# Altium PCB Elevator.PcbDoc (part 2 of 2) (continued)
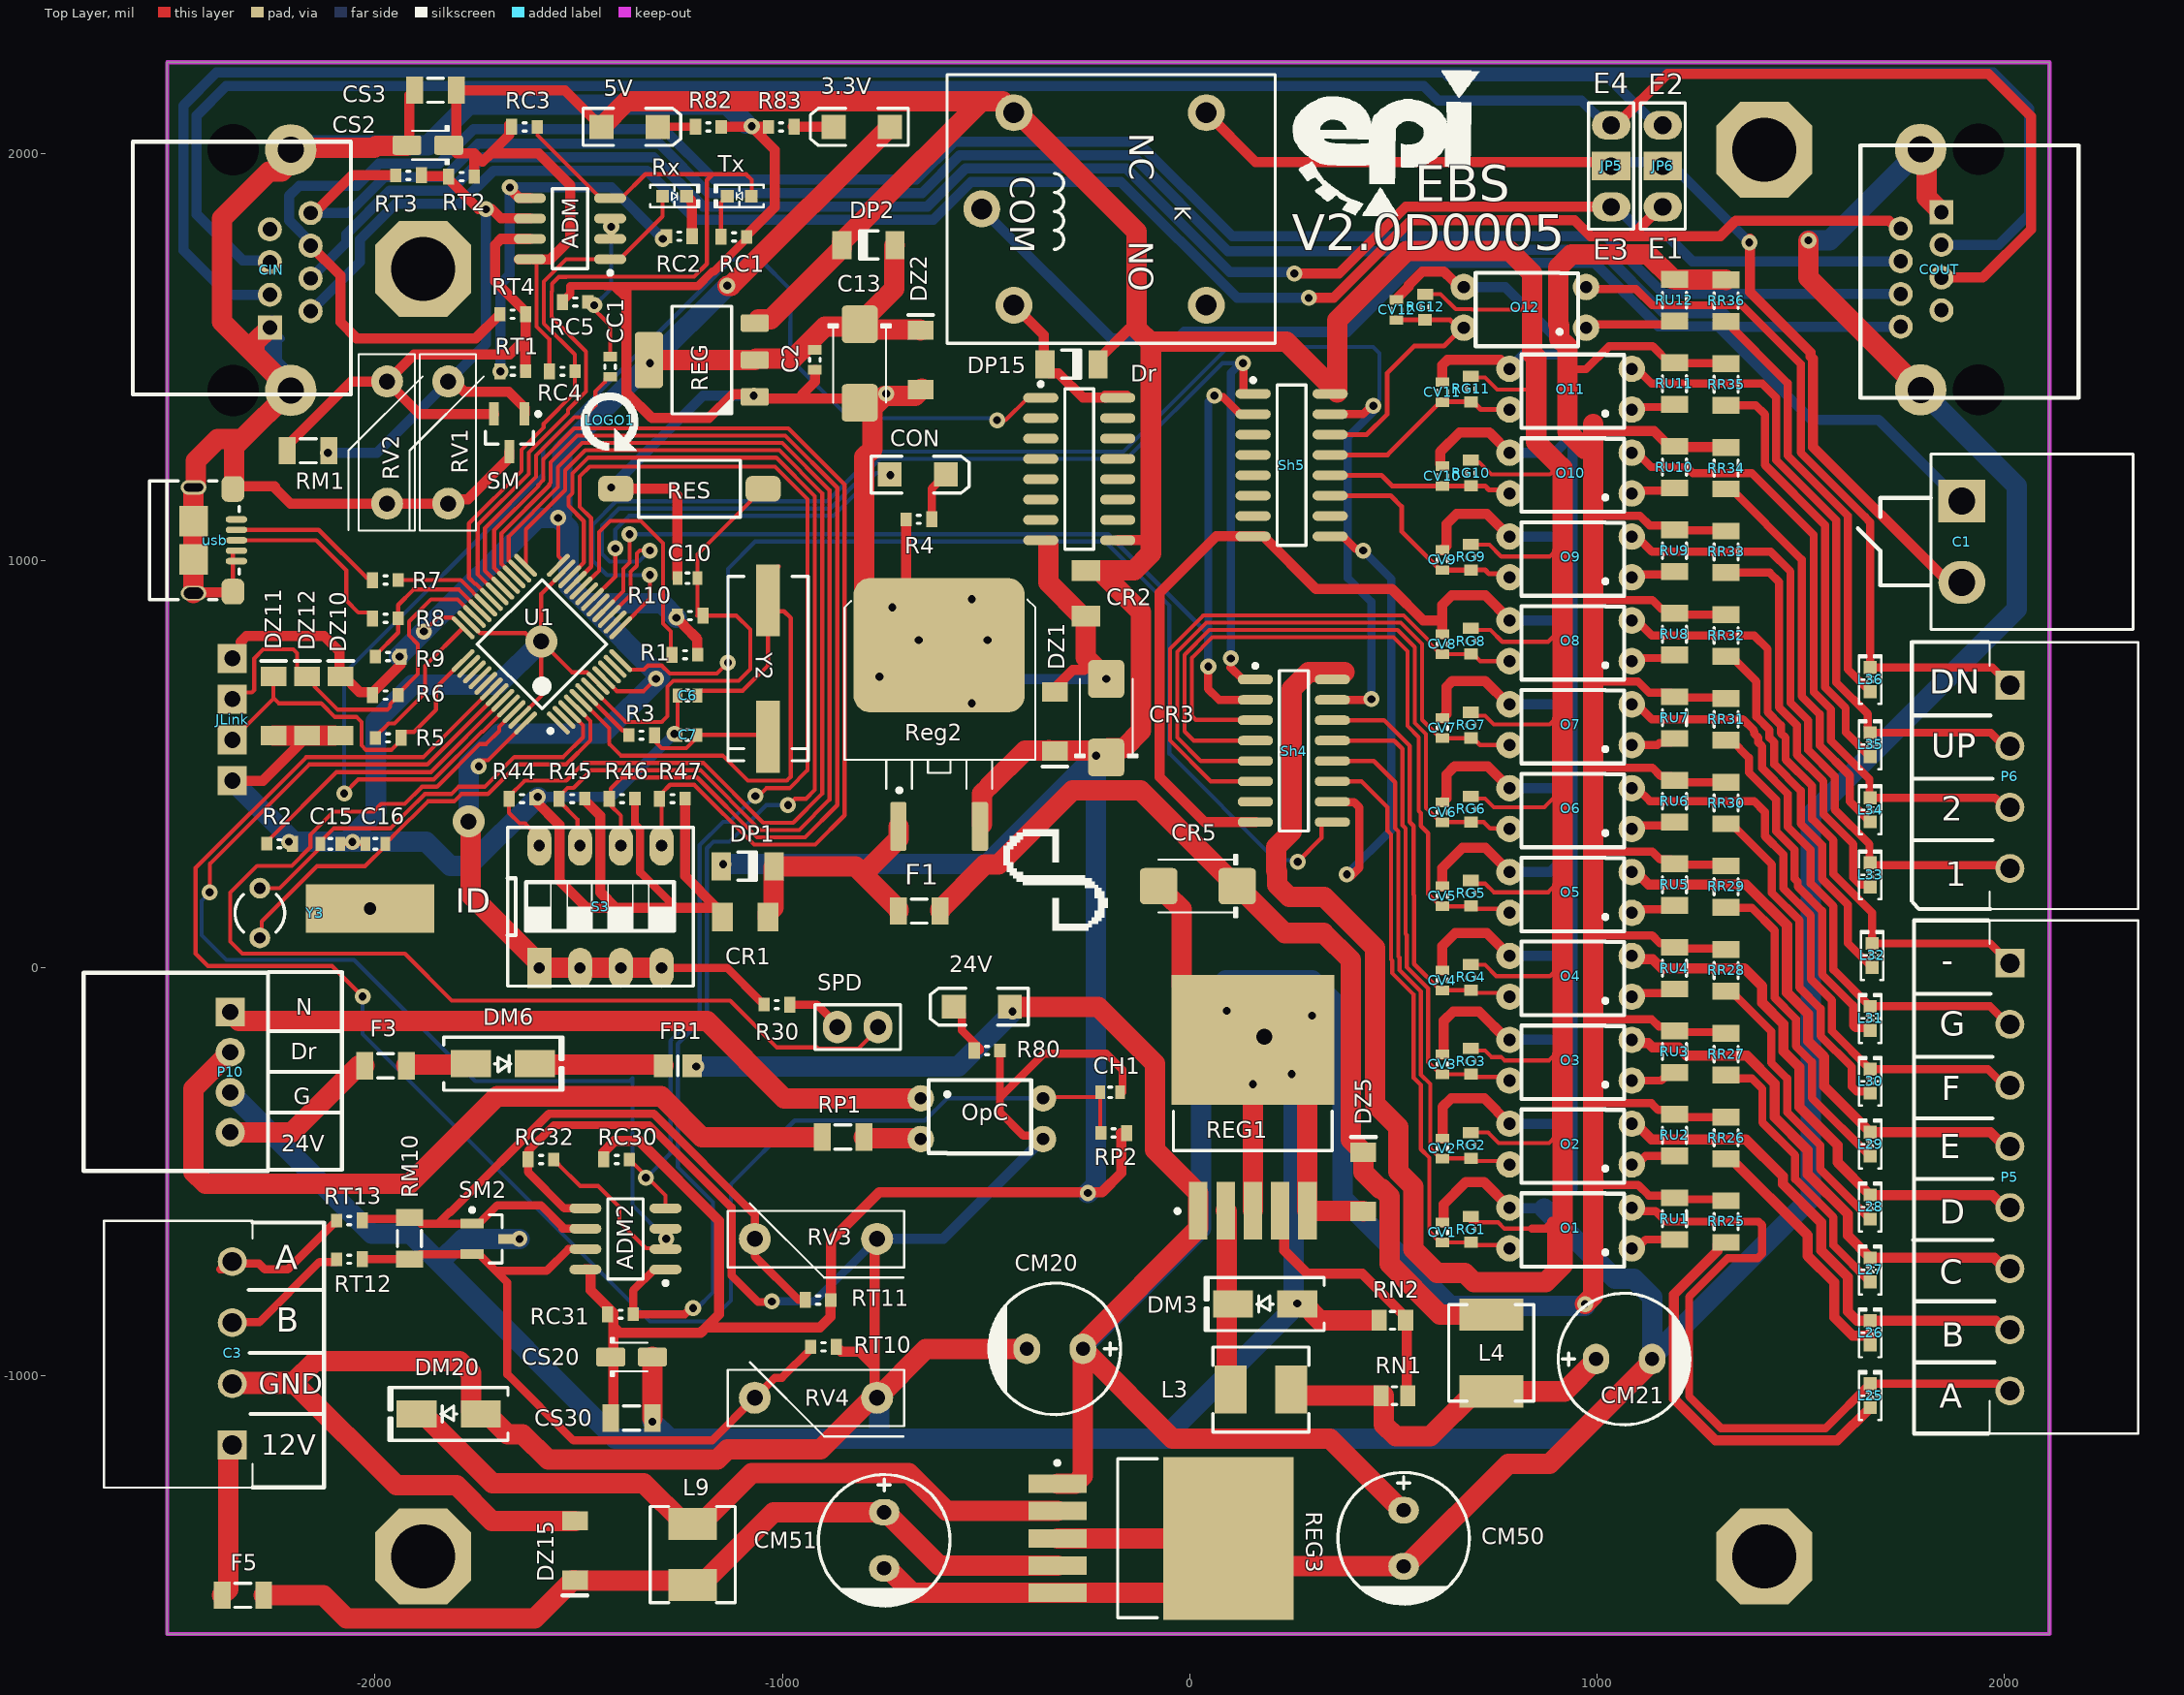
[diagram p0: Top Layer view]
## Nets (pads, with @x,y where several pads share a name; then routed paths per layer and width w, separated by ;. In a path a pad name is that pad's centre, name@x,y a point inside that pad or via, vN(x,y) a via of type N, cw(c..) or ccw(c..) an arc to the next point about the centre after c; other vN are vias at no path point) (continued)
NetL25_1: L25.1 RR25.2 | length 1001.9
  Top Layer w25: RR25.2@1316.14,-673.58 1303.35,-673.58 1295.18,-681.75 1295.18,-694.55 1188.15,-801.57 1188.15,-1057.2 1290.94,-1160 1589.53,-1160 L25.1@1670,-1079.53
NetL26_1: L26.1 RR26.2 | length 636.2
  Top Layer w25: RR26.2@1316.14,-468.06 1328.94,-468.06 1516.75,-655.88 1516.75,-706.94 1582.13,-772.32 1582.13,-857.13 1627.2,-902.2 1670,-902.2 L26.1@1670,-925.14
NetL27_1: L27.1 RR27.2 | length 687.2
  Top Layer w20: RR27.2@1316.14,-262.54 1324.32,-270.72 1379.61,-270.72 1405.38,-296.49 1405.38,-379.24 1485.97,-459.83 1485.97,-518.23 1580,-612.27 1580,-680.75 L27.1@1670,-770.75
NetL28_1: L28.1 RR28.2 | length 713.4
  Top Layer w20: RR28.2@1316.14,-57.02 1328.94,-57.02 1427.08,-155.17 1427.08,-232.29 1466.12,-271.33 1466.12,-354.08 1547.04,-435 1547.04,-493.4 L28.1@1670,-616.36
NetL29_1: L29.1 RR29.2 | length 793.9
  Top Layer w20: RR29.2@1316.14,148.5 1316.67,147.96 1379.61,147.96 1435.63,91.94 1435.63,-72.96 1487.83,-125.16 1487.83,-191.68 1526.87,-230.72 1526.87,-318.84 L29.1@1670,-461.97
NetL30_1: L30.1 RR30.2 | length 832.4
  Top Layer w20: RR30.2@1316.14,354.02 1328.94,354.02 1429.01,253.94 1429.01,184.47 1496.38,117.1 1496.38,-47.8 1548.58,-100 1548.58,-166.52 1625,-242.94 1625,-291.16 1636.72,-302.88 1665.3,-302.88 L30.1@1670,-307.58
NetL31_1: L31.1 RR31.2 | length 884.4
  Top Layer w20: RR31.2@1316.14,559.54 1328.94,559.54 1372.3,516.17 1372.3,480.2 1439.71,412.8 1439.71,335.34 1484.76,290.29 1484.76,219.1 1492.23,211.64 1492.23,200.09 1552.13,140.2 1552.13,-15.68 1628.23,-91.77 1628.23,-141.47 1634.19,-147.44 1664.25,-147.44 L31.1@1670,-153.19
NetL32_1: L32.1 RR32.2 | length 920
  Top Layer w20: RR32.2@1316.14,765.06 1328.94,765.06 1390.63,703.36 1390.63,616.75 1423.05,584.33 1423.05,565.54 1434.59,554 1434.59,500.28 1499.51,435.36 1499.51,354.37 1552.06,301.83 1552.06,219.1 1615,156.16 1615,61.21 L32.1@1675,1.21
NetL33_1: L33.1 RR33.2 | length 992.2
  Top Layer w20: RR33.2@1316.14,970.58 1423.62,970.58 1446.38,947.81 1446.38,639.84 1490.34,595.88 1490.34,523.37 1555.26,458.45 1555.26,377.47 1628.83,303.9 1628.83,221.17 1645.16,204.84 1664.25,204.84 L33.1@1670,199.09
NetL34_1: L34.1 RR34.2 | length 971.2
  Top Layer w20: RR34.2@1316.14,1176.1 1328.9,1176.1 1502.13,1002.87 1502.13,667.42 1546.09,623.45 1546.09,546.46 1620,472.55 1620,408.92 L34.1@1670,358.92
NetL35_1: L35.1 RR35.2 | length 1052.2
  Top Layer w20: RR35.2@1316.14,1381.61 1389.12,1381.61 1411.83,1358.9 1411.83,1235 1559.25,1087.58 1559.25,689.13 1610.05,638.33 1610.05,578.7 L35.1@1670,518.75
NetL36_1: L36.1 RR36.2 | length 1055.1
  Top Layer w20: RR36.2@1316.14,1587.13 1467.58,1435.7 1467.58,1258.26 1615,1110.84 1615,733.58 L36.1@1670,678.58
NetO1_1: O1.1 RU1.2 | length 114
  Top Layer w20: O1.1@1085,-688.26 1097.18,-688.26 1118.95,-666.49 RU1.2@1190,-666.49
NetO2_1: O2.1 RU2.2 | length 113.6
  Top Layer w20: O2.1@1085,-482.33 1097.18,-482.33 1118.02,-461.49 RU2.2@1190,-461.49
NetO3_1: O3.1 RU3.2 | length 113.2
  Top Layer w20: O3.1@1085,-276.4 1157.3,-276.4 1177.2,-256.49 RU3.2@1190,-256.49
NetO4_1: O4.1 RU4.2 | length 112.9
  Top Layer w20: O4.1@1085,-70.47 1093.61,-61.86 1179.63,-61.86 RU4.2@1190,-51.49
NetO5_1: O5.1 RU5.2 | length 112.5
  Top Layer w20: O5.1@1085,135.47 1093.61,144.08 1180.57,144.08 RU5.2@1190,153.51
NetO6_1: O6.1 RU6.2 | length 112.1
  Top Layer w20: O6.1@1085,341.4 1093.56,349.95 1181.44,349.95 RU6.2@1190,358.51
NetO7_1: O7.1 RU7.2 | length 111.7
  Top Layer w20: O7.1@1085,547.33 1147.5,547.33 1153.01,552.84 1179.33,552.84 RU7.2@1190,563.51
NetO8_1: O8.1 RU8.2 | length 111.3
  Top Layer w20: O8.1@1085,753.26 1092.62,760.89 1182.38,760.89 RU8.2@1190,768.51
NetO9_1: O9.1 RU9.2 | length 110.9
  Top Layer w20: O9.1@1085,959.19 1092.16,966.35 1182.84,966.35 RU9.2@1190,973.51
NetO10_1: O10.1 RU10.2 | length 110.5
  Top Layer w20: O10.1@1085,1165.12 1091.69,1171.82 1183.31,1171.82 RU10.2@1190,1178.51
NetO11_1: O11.1 RU11.2 | length 110.2
  Top Layer w20: O11.1@1085,1371.06 1091.23,1377.28 1183.77,1377.28 RU11.2@1190,1383.51
NetO12_1: O12.1 RU12.2 | length 224.3
  Top Layer w20: O12.1@972.64,1571.87 980.96,1580.19 1181.68,1580.19 RU12.2@1190,1588.51
NetOpC_2: OpC.2 RP1.1 | length 142
  Top Layer w50: RP1.1@-800,-415 -797.5,-417.5 -662.55,-417.5 OpC.2@-660.05,-420
NetP10_2: P10.2 RP1.2 | length 2006.9
  Top Layer w50: P10.2@-2355,-206.57 -2445,-296.57 -2445,-500.71 -2415.71,-530 -1915,-530 -1700,-315 -1297.46,-315 -1197.46,-415 RP1.2@-912.13,-415
NetR1_2: R1.2 U1.20 | length 622.8
  Top Layer w10: U1.20@-1500.24,925.24 -1497.46,928.02 -1497.51,928.07 -1497.51,929.25 U1.20@-1493.96,932.8 ; U1.20@-1493.32,932.16 -1455.12,970.36 -1454.64,970.36 -1450,975 -1450,1070 -1422.44,1097.56 -1347.37,1097.56 -1292.44,1042.63 -1292.44,873.6 -1292.56,873.49 -1292.56,845.52 -1273.43,826.4 R1.2@-1273.43,785.82
NetR2_1: R2.1 U1.44 | length 727.7
  Top Layer w10: R2.1@-2265,305 -2265,309.92 -2094.17,480.75 -1862.49,480.75 U1.44@-1686.04,657.2
NetR7_2: R7.2 usb.2 | length 384.8
  Top Layer w10: usb.2@-2339.69,1075.67 -2137.91,1075.67 -2020,957.76 -2011.25,957.76 R7.2@-2005.93,952.44
NetR8_2: R8.2 usb.3 | length 459.8
  Top Layer w10: usb.3@-2339.69,1050.08 -2143.83,1050.08 -2070,976.25 -2070,902.52 -2040.59,873.11 -2014.71,873.11 -2005.93,864.33 R8.2@-2005.93,858.43
NetR30_2: R30.2 SPD.1 | length 142.7
  Top Layer w20: R30.2@-982.01,-90 -915,-90 -865,-140 SPD.1@-865,-145
NetRC1_2: RC1.2 Tx.2 | length 106.5
  Top Layer w10: RC1.2@-1150.67,1795 -1150.67,1879.33 Tx.2@-1135,1895
NetRC2_2: RC2.2 Rx.2 | length 104
  Top Layer w25: Rx.2@-1234.83,1895 -1221.37,1881.54 RC2.2@-1221.37,1796.59
NetREG1_4: REG1.4 RN1.2 RN2.1 | length 661.5
  Top Layer w25: REG1.4@221.93,-595.69 232.07,-605.83 232.07,-693.21 288.86,-750 423.14,-750 RN2.1@534.96,-861.82 ; RN2.1@530,-865 532.48,-867.48 532.48,-910 532.48,-1047.52 RN1.2@534.96,-1050
NetSh4_10: Sh4.10 Sh5.9 | length 1209.6
  Top Layer w20: Sh5.9@344.49,1059.74 375.98,1059.74 407.02,1028.71 416.72,1028.71 425,1020.43 v1@425,1020 ; Sh4.10@350,408.26 350.69,407.56 403.02,407.56 416.25,394.33 416.25,246.25 v1@395,225
  Bottom Layer w20: v1(385.67,230) 495,339.33 495,955 v1@430,1020
  other v1: 425.67,1025
NULL: OpC.1 P10.1 | length 1792.7
  Top Layer w50: P10.1@-2365,-108.15 P10.1@-2355,-108.15 -2333.15,-130 -1185,-130 -995,-320 OpC.1@-660.05,-320
OSCIN: C6.1 U1.5 Y2.2 | length 1565.1
  Top Layer w10: U1.5@-1493.96,657.2 -1425,588.24 -1425,550 -1396.5,521.5 -1146.1,521.5 -1084.6,460 -988.9,460 -979.37,469.53 -979.37,859.37 -995.86,875.86 -1010.47,875.86 -1030,895.39 Y2.2@-1030,920 ; C6.1@-1208.31,668.83 -1208.31,673.75 -1201.5,680.56 -1097.23,680.56 -1035,742.8 Y2.2@-1035,902.52 -1035,961.58 -1010.47,986.1 Y2.2@-1008.31,986.1
OSCOUT: R3.1 U1.6 | length 147.8
  Top Layer w10: U1.6@-1480.04,671.12 -1392.13,583.21 -1383.25,583.21 -1376.44,576.4 R3.1@-1376.44,571.48
RESET: C10.1 R10.2 RES.2 U1.7 | length 1140.2
  Top Layer w10: U1.7@-1466.12,685.04 -1465.63,685.04 -1384.73,604.14 -1295.86,604.14 -1281.99,618.01 -1281.99,690.9 -1267.89,705 -1107.23,705 -1078.87,733.36 -1078.87,830.89 -1113.02,865.04 -1208.61,865.04 -1208.46,865.19 -1208.46,956.85 C10.1@-1208.31,957 -1208.31,1015.23 -1078.54,1145.01 -1078.54,1150.8 -1052.86,1176.48 RES.2@-1047.06,1176.48
RxCabin: ADM2.1 RC31.1 U1.22 | length 3501.2
  Top Layer w10: U1.22@-1521.79,960.64 -1521.79,961.13 -1487.13,995.8 -1487.13,1097.13 -1525,1135 -1525,1155.77 -1514.88,1165.89 -1514.88,1214.48 -1476.23,1253.13 -1014.85,1253.13 -920,1158.28 -920,437.08 -941.56,415.53 -968.84,415.53 v1@-979.37,405
  Top Layer w20: ADM2.1@-1286.57,-740 -1314.13,-740 -1366.01,-791.87 RC31.1@-1366.01,-850 -1239.2,-850 -1224.2,-835 v1(-1218.96,-835)
  Bottom Layer w10: v1@-1211.17,-837.2 -1170,-796.04 -1170,-575 -1256.6,-488.4 -1256.6,-186.6 -1185,-115 -1185,294.14 -1169.14,310 -1129.46,310 -1039.46,400 v1(-985.98,400)
RxComm: ADM.1 RC4.1 Rx.1 U1.31 | length 1345.5
  Top Layer w10: U1.31@-1713.88,904.96 -1751.59,942.67 -1754.15,942.67 -1769.24,957.76 -1769.24,1091.31 -1640,1220.56 -1640,1272.75 -1585.75,1327.01 -1585.75,1336.04 -1508.92,1412.87 -1508.92,1506.16 -1585,1582.24 -1585,1685.28 -1530.28,1740 ADM.1@-1422.61,1740 -1399.2,1740 -1293.89,1845.31 Rx.1@-1293.89,1889.29
SI24_24: L25.2 O1.2 P5.8 | length 1747.8
  Top Layer w20: O1.2@1085,-588.26 1093.61,-596.87 1143.18,-596.87 1168.78,-622.48 1395.99,-622.48 1405,-631.49 1405,-701.49 1393.72,-712.77 1319.91,-712.77 1225.61,-807.07 1225.61,-1051.71 1303.53,-1129.63 1560.85,-1129.63 L25.2@1670,-1020.47 1981.63,-1020.47 1999.24,-1038.08 P5.8@2013,-1038.08
SI24_25: L26.2 O2.2 P5.7 | length 1238.8
  Top Layer w25: O2.2@1085,-382.33 1095.82,-382.33 1133.94,-420.45 1364.9,-420.45 1455.59,-511.14 1455.59,-530.82 1549.63,-624.85 1549.63,-693.33 1615,-758.7 1615,-843.51 1637.57,-866.08 L26.2@1670,-866.08 1978.59,-866.08 2000.59,-888.08 P5.7@2013,-888.08
SI24_26: L27.2 O3.2 P5.6 | length 1274
  Top Layer w25: O3.2@1085,-176.4 1092.65,-184.05 1124.88,-184.05 1136.16,-195.33 1199.63,-195.33 1219.74,-215.45 1367.28,-215.45 1435.75,-283.91 1435.75,-366.66 1516.67,-447.58 1516.67,-505.98 1615,-604.31 1615,-656.69 L27.2@1670,-711.69 1974.2,-711.69 2000.59,-738.08 P5.6@2013,-738.08
SI24_27: L28.2 O4.2 P5.5 | length 1328.8
  Top Layer w25: O4.2@1085,29.53 1092.65,21.88 1135.89,21.88 1158.16,-0.39 1360.64,-0.39 1405.26,-45 1405.26,-85.55 1457.45,-137.74 1457.45,-204.26 1496.5,-243.3 1496.5,-341.5 1590,-435 1590,-477.3 L28.2@1670,-557.3 1969.81,-557.3 2000.59,-588.08 P5.5@2013,-588.08
SI24_28: L29.2 O5.2 P5.4 | length 1384.7
  Top Layer w25: O5.2@1085,235.47 1095.82,235.47 1126.68,204.61 1365.91,204.61 1466,104.52 1466,-60.38 1518.2,-112.58 1518.2,-179.1 1557.25,-218.14 1557.25,-290.16 L29.2@1670,-402.91 1965.42,-402.91 2000.59,-438.08 P5.4@2013,-438.08
SI24_29: L30.2 O6.2 P5.3 | length 1444.9
  Top Layer w20: O6.2@1085,441.4 1097.18,441.4 1128.96,409.61 1385.11,409.61 1411.83,382.89 1411.83,323.8 1456.89,278.74 1456.89,196.01 1524.25,128.65 1524.25,-27.22 1576.45,-79.42 1576.45,-154.97 L30.2@1670,-248.52 1959.25,-248.52 1989.08,-278.35 1989.5,-278.35 2005.9,-294.75 P5.3@2005.9,-295.18
SI24_30: L31.2 O7.2 P5.2 | length 1483
  Top Layer w20: O7.2@1085,647.33 1097.18,647.33 1134.07,610.43 1357.52,610.43 1384.69,583.27 1384.69,580.56 1385.25,580 1385.25,575.47 1395.17,565.54 1395.17,554 1405,544.17 1405,490.46 1467.58,427.88 1467.58,346.89 1524.18,290.29 1524.18,207.56 1580,151.74 1580,-4.13 L31.2@1670,-94.13 1964.41,-94.13 2008.36,-138.08 P5.2@2013,-138.08
SI24_31: L32.2 O8.2 P5.1 | length 1549.7
  Top Layer w20: O8.2@1085,853.26 1097.18,853.26 1134.07,816.37 1385.25,816.37 1418.5,783.11 1418.5,628.3 1450.92,595.88 1450.92,577.09 1462.47,565.54 1462.47,511.83 1527.39,446.91 1527.39,365.92 1579.93,313.38 1579.93,230.65 1675,135.58 L32.2@1675,60.26 1964.66,60.26 P5.1@2013,11.92
SI24_32: L33.2 O9.2 P6.4 | length 1569.8
  Top Layer w20: O9.2@1085,1059.19 1097.18,1059.19 1134.69,1021.68 1426.09,1021.68 1474.25,973.51 1474.25,651.39 1518.22,607.42 1518.22,534.92 1583.14,470 1583.14,389.01 1668.25,303.9 1668.25,259.9 L33.2@1670,258.15 1675.75,252.4 2005.21,252.4 P6.4@2013,244.61
SI24_33: L34.2 O10.2 P6.3 | length 1585.4
  Top Layer w20: O10.2@1085,1265.12 1097.18,1265.12 1132.69,1229.61 1220,1229.61 1234.97,1214.64 1380.07,1214.64 1531.38,1063.33 1531.38,677.59 1573.96,635 1573.96,558.01 1668.25,463.72 1668.25,419.73 L34.2@1670,417.98 1975.87,417.98 1999.24,394.61 P6.3@2013,394.61
SI24_34: L35.2 O11.2 P6.2 | length 1658.6
  Top Layer w20: O11.2@1085,1471.06 1097.18,1471.06 1133.62,1434.61 1405.39,1434.61 1439.71,1400.29 1439.71,1246.72 1587.13,1099.3 1587.13,700.68 1664.25,623.55 1664.25,583.55 L35.2@1670,577.8 1966.05,577.8 1999.24,544.61 P6.2@2013,544.61
SI24_35: L36.2 O12.2 P6.1 | length 1782
  Top Layer w20: O12.2@972.64,1671.87 977.52,1666.99 1095,1666.99 1134.93,1627.05 1355.63,1627.05 1499.51,1483.17 1499.51,1265.75 1657.81,1107.45 1657.81,1106.71 1670,1094.51 L36.2@1670,737.63 1969.98,737.63 P6.1@2013,694.61
SIMu_24: CV1.2 O1.4 RG1.1 Sh4.11 | length 1460
  Top Layer w10: Sh4.11@350,458.26 421.74,458.26 485.27,394.73 485.27,337.09 494.25,328.1 494.25,20.8 496.91,18.14 496.91,-12.44 549.25,-64.79 549.25,-245.84 549.49,-246.08 549.49,-269.65 567.13,-287.29 567.13,-444.77 587.95,-465.6 587.95,-646.65 614.57,-673.28 623.45,-673.28 623.7,-673.53 689.75,-673.53 RG1.1@690,-673.28 696.81,-680.09 776.83,-680.09 O1.4@785,-688.26
SIMu_25: CV2.2 O2.4 RG2.1 Sh4.12 | length 1321.6
  Top Layer w10: Sh4.12@350,508.26 451.74,508.26 504.25,455.75 504.25,343.38 512.13,335.51 512.13,28.2 514.78,25.55 514.78,-5.04 567.13,-57.38 567.13,-238.44 567.36,-238.67 567.36,-262.24 590.12,-285 590.12,-442.49 615.08,-467.45 615.33,-467.2 689.75,-467.2 RG2.1@690,-466.94 696.81,-473.75 776.43,-473.75 O2.4@785,-482.33
SIMu_26: CV3.2 O3.4 RG3.1 Sh4.13 | length 1194.7
  Top Layer w10: Sh4.13@350,558.26 501.73,558.26 522.13,537.86 522.13,350.79 530,342.91 530,83.44 532.66,80.78 532.66,2.36 585,-49.98 585,-231.04 615.08,-261.11 CV3.2@620,-261.11 689.5,-261.11 RG3.1@690,-260.61 696.81,-267.42 776.02,-267.42 O3.4@785,-276.4
SIMu_27: CV4.2 O4.4 RG4.1 Sh4.14 | length 1024.1
  Top Layer w10: Sh4.14@350,608.26 477.01,608.26 540,545.27 540,358.19 549.49,348.7 549.49,179.76 550.53,178.71 550.53,9.77 615.08,-54.78 CV4.2@620,-54.78 620.25,-54.53 689.75,-54.53 RG4.1@690,-54.28 696.81,-61.09 775.62,-61.09 O4.4@785,-70.47
SIMu_28: CV5.2 O5.4 RG5.1 Sh4.3 | length 1718.5
  Top Layer w10: Sh4.3@161.02,608.26 159.98,609.3 15,609.3 5,619.3 5,761.37 55.48,811.85 500,811.85 534.25,777.6 534.25,594.49 562.13,566.62 562.13,385.56 567.36,380.33 567.36,348.7 585,331.06 585,181.63 615.08,151.55 CV5.2@620,151.55 689.5,151.55 RG5.1@690,152.06 696.81,145.25 764.64,145.25 785,124.89 O5.4@785,135.47
SIMu_29: CV6.2 O6.4 RG6.1 Sh4.4 | length 1613.2
  Top Layer w10: Sh4.4@161.02,558.26 9.62,558.26 -12.87,580.75 -12.87,768.78 48.07,829.72 510.27,829.72 552.13,787.87 552.13,601.89 580,574.02 580,392.96 615.08,357.89 615.33,358.14 689.75,358.14 RG6.1@690,358.39 721.73,358.39 737.5,342.62 769.95,342.62 772.57,340 773.97,341.4 O6.4@785,341.4
SIMu_30: CV7.2 O7.4 RG7.1 Sh4.5 | length 1500
  Top Layer w10: Sh4.5@161.02,508.26 27.02,508.26 -30.75,566.03 -30.75,776.18 40.67,847.6 517.68,847.6 570,795.27 570,609.3 615.08,564.22 CV7.2@620,564.22 689.5,564.22 RG7.1@690,564.72 ; RG7.1@694.92,564.72 712.32,547.33 O7.4@785,547.33
SIMu_31: CV8.2 O8.4 RG8.1 Sh4.6 | length 1393.5
  Top Layer w10: Sh4.6@161.02,458.26 51.74,458.26 -48.62,558.62 -48.62,783.58 33.26,865.47 525.08,865.47 587.87,802.68 587.87,797.76 615.08,770.55 615.33,770.8 689.75,770.8 RG8.1@690,771.06 694.92,771.06 712.72,753.26 O8.4@785,753.26
SIMu_32: CV9.2 O9.4 RG9.1 Sh5.11 | length 559.7
  Top Layer w12: Sh5.11@344.49,1159.74 493.23,1159.74 520,1132.97 520,1071.96 615.08,976.89 CV9.2@620,976.89 689.5,976.89 RG9.1@690,977.39 724.73,977.39 734.5,967.62 776.57,967.62 O9.4@785,959.19
SIMu_33: CV10.2 O10.4 RG10.1 Sh5.12 | length 459.4
  Top Layer w12: Sh5.12@344.49,1209.74 470.26,1209.74 496.78,1183.22 CV10.2@620,1183.22 689.5,1183.22 RG10.1@690,1183.72 724.73,1183.72 734.5,1173.96 776.17,1173.96 O10.4@785,1165.12
SIMu_34: CV11.2 O11.4 RG11.1 Sh5.13 | length 502.4
  Top Layer w12: Sh5.13@344.49,1259.74 485.27,1259.74 615.08,1389.55 CV11.2@620,1389.55 620.25,1389.8 689.75,1389.8 RG11.1@690,1390.06 694.92,1390.06 713.92,1371.06 O11.4@785,1371.06
SIMu_35: CV12.2 O12.4 RG12.1 Sh5.14 | length 661.4
  Top Layer w12: Sh5.14@344.49,1309.74 434.74,1309.74 485,1360 485,1460.89 550.73,1526.61 623.54,1526.61 668.8,1571.87 658.3,1571.87 638.89,1591.27 RG12.1@577.64,1591.27 577.39,1591.02 507.89,1591.02 CV12.2@507.64,1590.76
SIMu_36: Sh5.3
SIMu_37: Sh5.4
SIMu_38: Sh5.5
SIMu_39: Sh5.6
Speed_Connection: SPD.2 U1.46 | length 2748.5
  Top Layer w10: U1.46@-1658.21,629.36 -1658.21,628.87 -1695,592.07 -1695,582.03 -1727.03,550 -1742.69,550 -1847.69,445 -1884.67,445 -1926.94,402.73 -1984.39,402.73 -2003.25,383.87 -2101.33,383.87 -2158.36,326.83 -2158.36,296.49 -2203.99,250.86 -2289.14,250.86 -2355,185 -2355,65 -2325,35 -1926.04,35 -1811.04,-80 -1128.01,-80 -1013.01,-195 -915,-195 -912.13,-197.87 -812.87,-197.87 -765,-150 SPD.2@-765,-145
SWCLk: DZ11.2 JLink.2 R5.2 U1.37 | length 879.6
  Top Layer w10: JLink.2@-2350,560 -2249.11,660.89 -2249.11,663.36 ; DZ11.2@-2249.11,716.11 -2249.11,663.36 ; U1.37@-1783.48,754.63 -1850,688.11 -1850,634.14 -1904.46,579.69 -1927.22,579.69 -1936,570.91 R5.2@-1936,565 -1936,559.09 -1959.7,535.39 -2021.63,535.39 -2032.84,546.61 -2032.84,604.14 -2044.96,616.27 -2098.26,616.27 -2131.99,650 -2235.75,650 -2249.11,663.36
SWIO: DZ12.2 JLink.3 R6.1 U1.34 | length 1015.9
  Top Layer w10: JLink.3@-2350,660 -2333.35,676.65 -2301.94,676.65 -2296.08,682.5 -2296.08,760 -2273.84,782.24 -2200.25,782.24 -2191,772.99 -2191,734.74 -2172.38,716.11 DZ12.2@-2166.65,716.11 -2166.43,716.11 -2147.81,697.49 -2147.81,691.1 -2090.86,634.14 -1969.51,634.14 -1962.44,641.21 -1962.44,647.55 R6.1@-1944.63,665.36 ; R6.1@-1942.94,670 -1942.94,672.95 -1894.47,721.42 -1894.47,794.76 -1916.28,816.58 -1916.28,850.81 -1862.09,905 -1797.44,905 U1.34@-1755.64,863.21
TxCabin: ADM2.4 RC30.1 U1.21 | length 2931.3
  Top Layer w10: U1.21@-1507.88,946.72 -1469.25,985.35 -1469.25,1104.53 -1497.13,1132.4 -1497.13,1158.36 -1497.01,1158.48 -1497.01,1207.08 -1472.97,1231.11 -1018.11,1231.11 -937.87,1150.88 -937.87,485.75 -982.23,441.4 -1039.18,441.4 -1058.45,422.13 v1(-1066.4,422.13) ; RC30.1@-1375,-470 -1286.57,-558.43 ADM2.4@-1286.57,-590
  Bottom Layer w10: v1@-1339.05,-520 -1274.47,-455.43 -1274.47,-179.2 -1202.87,-107.6 -1202.87,301.55 -1145.39,359.03 -1129.5,359.03 v1(-1066.4,422.13)
  other v1: -1335,-515
TxComm: ADM.4 RC3.1 Tx.1 U1.30 | length 2234.6
  Top Layer w10: U1.30@-1699.96,918.88 -1747.87,966.79 -1747.87,1087.4 -1622.13,1213.15 -1622.13,1265.35 -1525.79,1361.69 -1525.79,1370.72 -1481.5,1415.01 -1481.5,1513.33 -1566.65,1598.48 -1566.65,1660.02 -1565,1661.67 -1565,1680 -1548.25,1696.75 -1529.95,1696.75 -1529.29,1697.41 -1216.4,1697.41 -1185,1728.81 -1185,1934.53 -1170.61,1948.92 ; RC3.1@-1601.01,2065 -1601.01,2044.53 -1446.48,1890 ADM.4@-1422.61,1890 -1395.05,1890 -1336.12,1948.92 -1170.61,1948.92 ; Tx.1@-1075.94,1895 -1075,1895.94 -1075,1935 -1088.92,1948.92 -1170.61,1948.92
VCC: 5V.1 ADM2.8 ADM.8 CR2.1 CR3.1 CS2.1 CS3.1 CS20.1 CS30.1 DP1.1 DP2.2 DP15.2 Dr.9 DZ1.2 K.4 RC3.2 RC4.2 RC30.2 RC31.2 Reg2.3 REG.3 RG1.2 RG2.2 RG3.2 RG4.2 RG5.2 RG6.2 RG7.2 RG8.2 RG9.2 RG10.2 RG11.2 RG12.2 RP2.2 RT2.1 RT11.1 Sh4.16 Sh5.16 | length 20394
  Top Layer w10: ADM.8@-1619.46,1740 -1609.17,1740 -1602.87,1733.71 -1602.87,1574.84 -1571.9,1543.87 RC4.2@-1571.9,1464.82 ; Reg2.3@-515,347.5 -510,352.5 -505,357.5 -505,433.04 -491.52,446.52 ; RG12.2@577.64,1654.26 615.76,1654.26 652.78,1617.24 691.43,1617.24 692.41,1616.26 840,1616.26 ; 690,-624.28 756.86,-624.28 772.57,-640 840,-640 ; RG2.2@690,-403.95 732.44,-403.95 758.49,-430 881.56,-430 898.9,-412.66 ; RG3.2@690,-197.62 695.05,-202.67 724.69,-202.67 740.44,-218.43 764.17,-218.43 772.57,-226.83 882.07,-226.83 898.9,-210 ; RG4.2@690,8.72 691.08,7.63 724.69,7.63 752.32,-20 883.9,-20 898.9,-5 ; RG5.2@690,215.05 697.72,207.33 724.69,207.33 746,186.02 879.92,186.02 898.9,205 ; RG6.2@690,421.38 695.05,416.33 724.69,416.33 746.29,394.73 870.41,394.73 898.9,423.22 ; RG7.2@690,627.72 698.12,619.6 724.69,619.6 746.4,597.88 883.57,597.88 898.9,613.21 ; RG10.2@698.97,1241.68 710.47,1241.68 740,1212.16 883.86,1212.16 898.9,1227.19 ; RG8.2@699.95,830 737.76,830 766.99,800.77 879.67,800.77 898.9,820 ; RG11.2@700.95,1450 725,1450 754.91,1420.09 850.37,1420.09 ; RG9.2@701.73,1038.11 702.8,1039.18 735.48,1039.18 764.66,1010 883.02,1010 898.9,1025.88
  Top Layer w20: Sh5.16@344.49,1409.74 Sh5.16@357.1,1409.74 ; 840,-640 873.5,-640 890,-623.5 ; 898.9,-412.66 898.9,-210 ; 898.9,-5 898.9,205 ; 898.9,423.22 898.9,613.21 ; 898.9,820 898.9,1025.88 ; 898.9,1227.19 898.9,1243.29
  Top Layer w25: RT2.1@-1756.33,1943.53 -1756.33,2000 ; RC3.2@-1670,2070 -1670,2045 -1715,2000 ; ADM.8@-1646.33,1739.31 -1645.64,1740 ADM.8@-1619.46,1740 ; ADM.8@-1609.17,1740 -1569.64,1740 -1520,1789.64 -1520,1921.65 -1598.35,2000 -1715,2000 ; ADM2.8@-1483.43,-740 -1471.46,-740 -1470.77,-740.69 -1470.77,-790.69 -1415,-846.46 -1415,-880 ; 5V.1@-1443.9,2065 -1533.9,2155 CS3.1@-1800,2155 -1800,2038.82 CS2.1@-1818.82,2020 -1798.82,2000 -1756.33,2000 ; RC30.2@-1440,-453.99 -1440,-452.87 -1412.13,-425 -1350.37,-425 -1155.03,-620.34 -1155.03,-850.03 -1187.87,-882.87 ; CS30.1@-1421.18,-1105 -1415,-1098.82 -1415,-880 ; REG.3@-1067.61,1583.17 REG.3@-1058.45,1592.33 ; RT11.1@-881.01,-815 -878.9,-815 RT11.1@-881.01,-812.89 ; DP15.2@-225.04,1482.34 -225.04,1493.17 -148.21,1570 -130,1570 ; Dr.9@-176.79,1050 -176.1,1050.69 -104.66,1050.69 -95.35,1060 ; -168.69,-405 -168,-405.69 -168,-503 -215,-550 -761.81,-550 -881.01,-669.2 RT11.1@-881.01,-812.89 ; 890,-730 890,-729.24 890,-623.5 ; -1756.33,2000 -1735.66,1979.33 -1715,2000 ; -1415,-880 -1400,-895 -1200,-895 -1187.87,-882.87 ; -1187.87,-882.87 -907.87,-882.87 -881.7,-856.7 -881.7,-813.58 RT11.1@-881.01,-812.89
  Top Layer w50: 5V.1@-1443.9,2065 -1381.5,2127.4 -520,2127.4 -459.33,2127.4 K.4@-431.63,2099.7 -421.61,2099.7 -130,1808.09 -130,1570 -95.35,1535.35 ; REG.3@-1058.45,1592.33 -1028.14,1592.33 -853.54,1766.93 DP2.2@-853.54,1775 -853.54,1783.07 -781.45,1855.16 -781.45,1858.55 -520,2120 ; Reg2.3@-510,352.5 -510,428.04 -505,433.04 ; -491.52,446.52 -404.3,533.74 -346.87,533.74 -345.49,535.12 -344.12,533.74 CR3.1@-234.76,533.74 ; CR2.1@-255,976.1 -220.51,976.1 -136.73,976.1 -95.35,1017.48 -95.35,1060 -95.35,1535.35 ; CR2.1@-220.51,975.51 -119.37,874.37 -119.37,582.08 -161.21,540.24 -200.71,540.24 CR3.1@-220,520.95 ; 380,726.79 350,726.79 291.79,726.79 250,685 250,335 212.44,297.44 212.44,238.94 215,236.39 215,204.61 244.61,175 330,175 455,50 455,-332.87 512.13,-390 512.13,-500.34 548.41,-536.62 548.41,-690 607.15,-748.74 675,-748.74 697.01,-770.75 873.5,-770.75 902.12,-742.12 915,-729.24 915,-623.5 915,-412.66 915,-210 915,-5 915,205 915,423.22 915,613.21 915,820 915,1025.88 915,1227.19 898.9,1243.29 850.37,1291.81 850.37,1420.09 850.37,1498.13 840,1508.51 840,1616.26 840,1705 785,1760 532.18,1760 361.77,1589.59 361.77,1413.23 237.44,1537.56 -93.15,1537.56 -95.35,1535.35
  Bottom Layer w50: v1(-1144.96,255) -496.5,255 v1(-230,521.5) -230,-532.3 v1(-250,-552.3)
pads on no net: "CIN. " "COUT. " C13.0 CIN.7 COUT.7 CR3.0 CR5.0 CS2.0 CS20.0 Dr.2 Dr.3 Dr.4 Dr.5 Dr.6 Dr.7 Dr.10 Dr.11 Dr.12 Dr.13 Dr.14 Dr.15 K.2 Reg2.0 REG.0 Sh4.7 Sh5.7 Sh5.10 U1.1 U1.10 U1.17 U1.19 U1.39 U1.40 usb.1 Y3.3

## Polygon pours and split planes (outlines as drawn)
GND on Bottom Layer "Bottom Layer-GND" (solid, remove dead copper, pour order 2): -2490,1315 -2470,1335 -1960,1335 -1700,1595 -1700,1780 -1850,1930 -2255,1930 -2490,2165 -2490,2215 85,2215 145,2155 145,1860 210,1795 220,1805 650,1805 1060,2215 1505,2215 1505,-1635 -2345,-1635 -2495,-1025 -2490,-1020

## Keep-outs
Keep-Out Layer:
  the board outline again, w10

## Silkscreen, mask and mechanical layers (free items; w line width, h text height)
Top Overlay:
  drawing of 675 lines, arcs and shapes, not listed
  text "E4" at 990,2147 h50
  text "E2" at 1125,2145 h50
  text "EBS" at 551.32,1853.8 h150
  text "E1" at 1124.33,1741.72 h50
  text "E3" at 989.33,1740 h50
  text "V2.0D0005" at 251.32,1733.8 h150
  text "DN" at 1815,673.65 h60
  text "UP" at 1820,516.75 h60
  text "2" at 1845,361.29 h60
  text "1" at 1855,201.29 h60
  text "ID" at -1802.81,135.47 h60
  text "-" at 1845,-10 h60
  text "N" at -2193.26,-115 h40
  text "G" at 1840,-166.52 h60
  text "Dr" at -2206.57,-225 h40
  text "F" at 1845,-325 h60
  text "G" at -2199.58,-335 h40
  text "24V" at -2230,-450.3 h40
  text "E" at 1840,-466.89 h60
  text "D" at 1840,-627.6 h60
  text "A" at -2245,-740 h60
  text "C" at 1840,-775.67 h60
  text "B" at -2242.8,-892.57 h60
  text "B" at 1845,-930.06 h60
  text "GND" at -2285,-1045 h50
  text "A" at 1840,-1079.53 h60
  text "12V" at -2280,-1195 h50

## Text inside footprints (layer, text, board x,y; h text height)
K: Top Overlay "NC" at -147.37,2049.48 h59.06 r270; Top Overlay "NO" at -149.37,1784.48 h59.06 r270; Top Overlay "COM" at -440.37,1943.48 h59.06 r270